# Altium PCB SFYTH_PCB2.PcbDoc (part 1 of 3)
Units mil, origin at the board's own origin, x right, y up, seen from the top; angles counter-clockwise.
Board outline 3935.4 x 3935 mil, 2 copper layers (Top Layer, Bottom Layer); 60 components, 80 nets, 272 pads, 22 vias.
Unrouted connection lines stored in the file: 3.
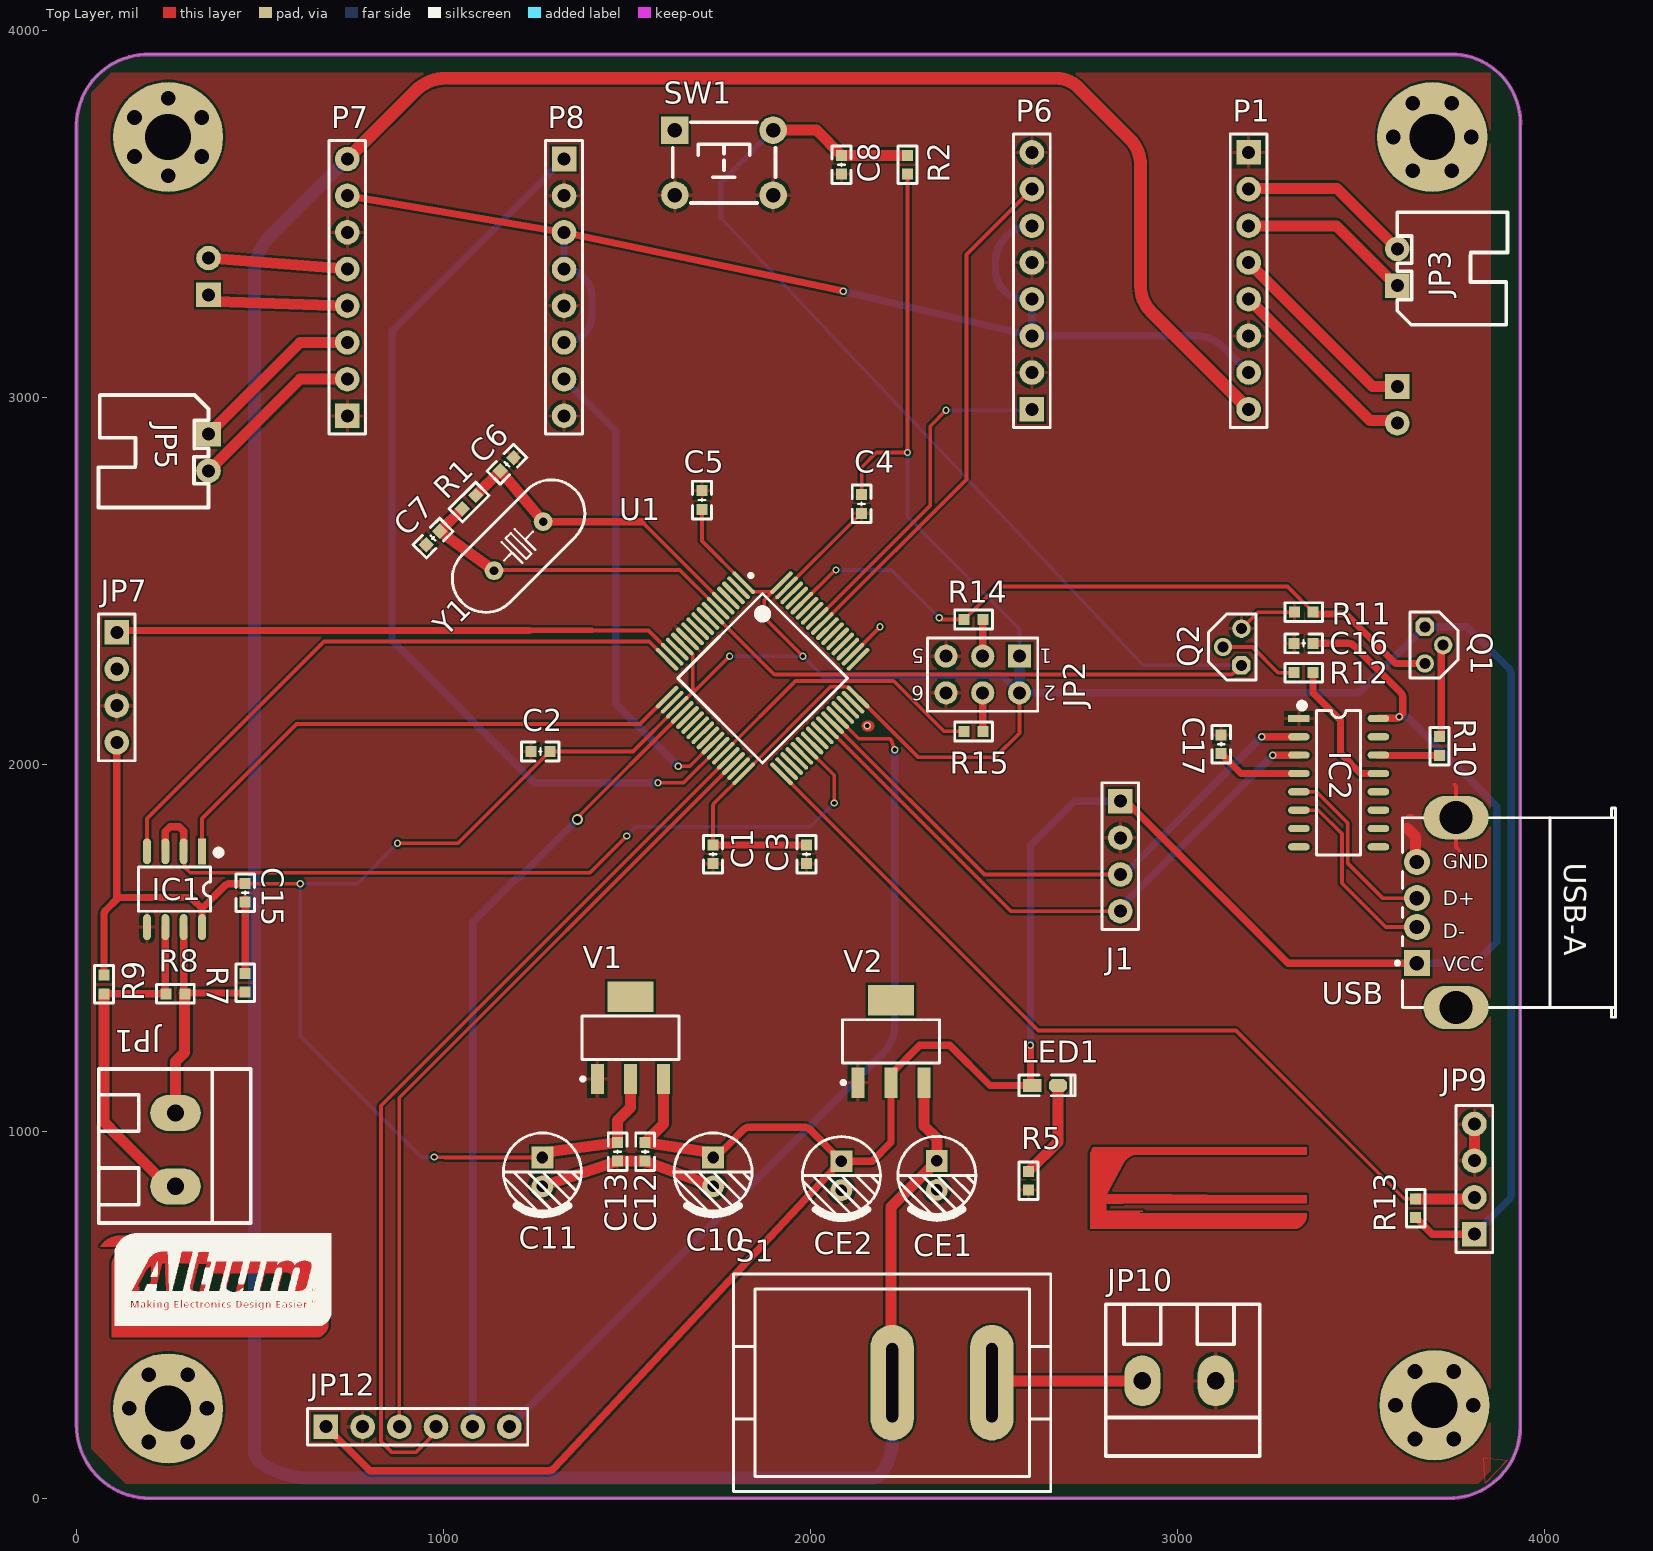
[diagram p0: Top Layer view]
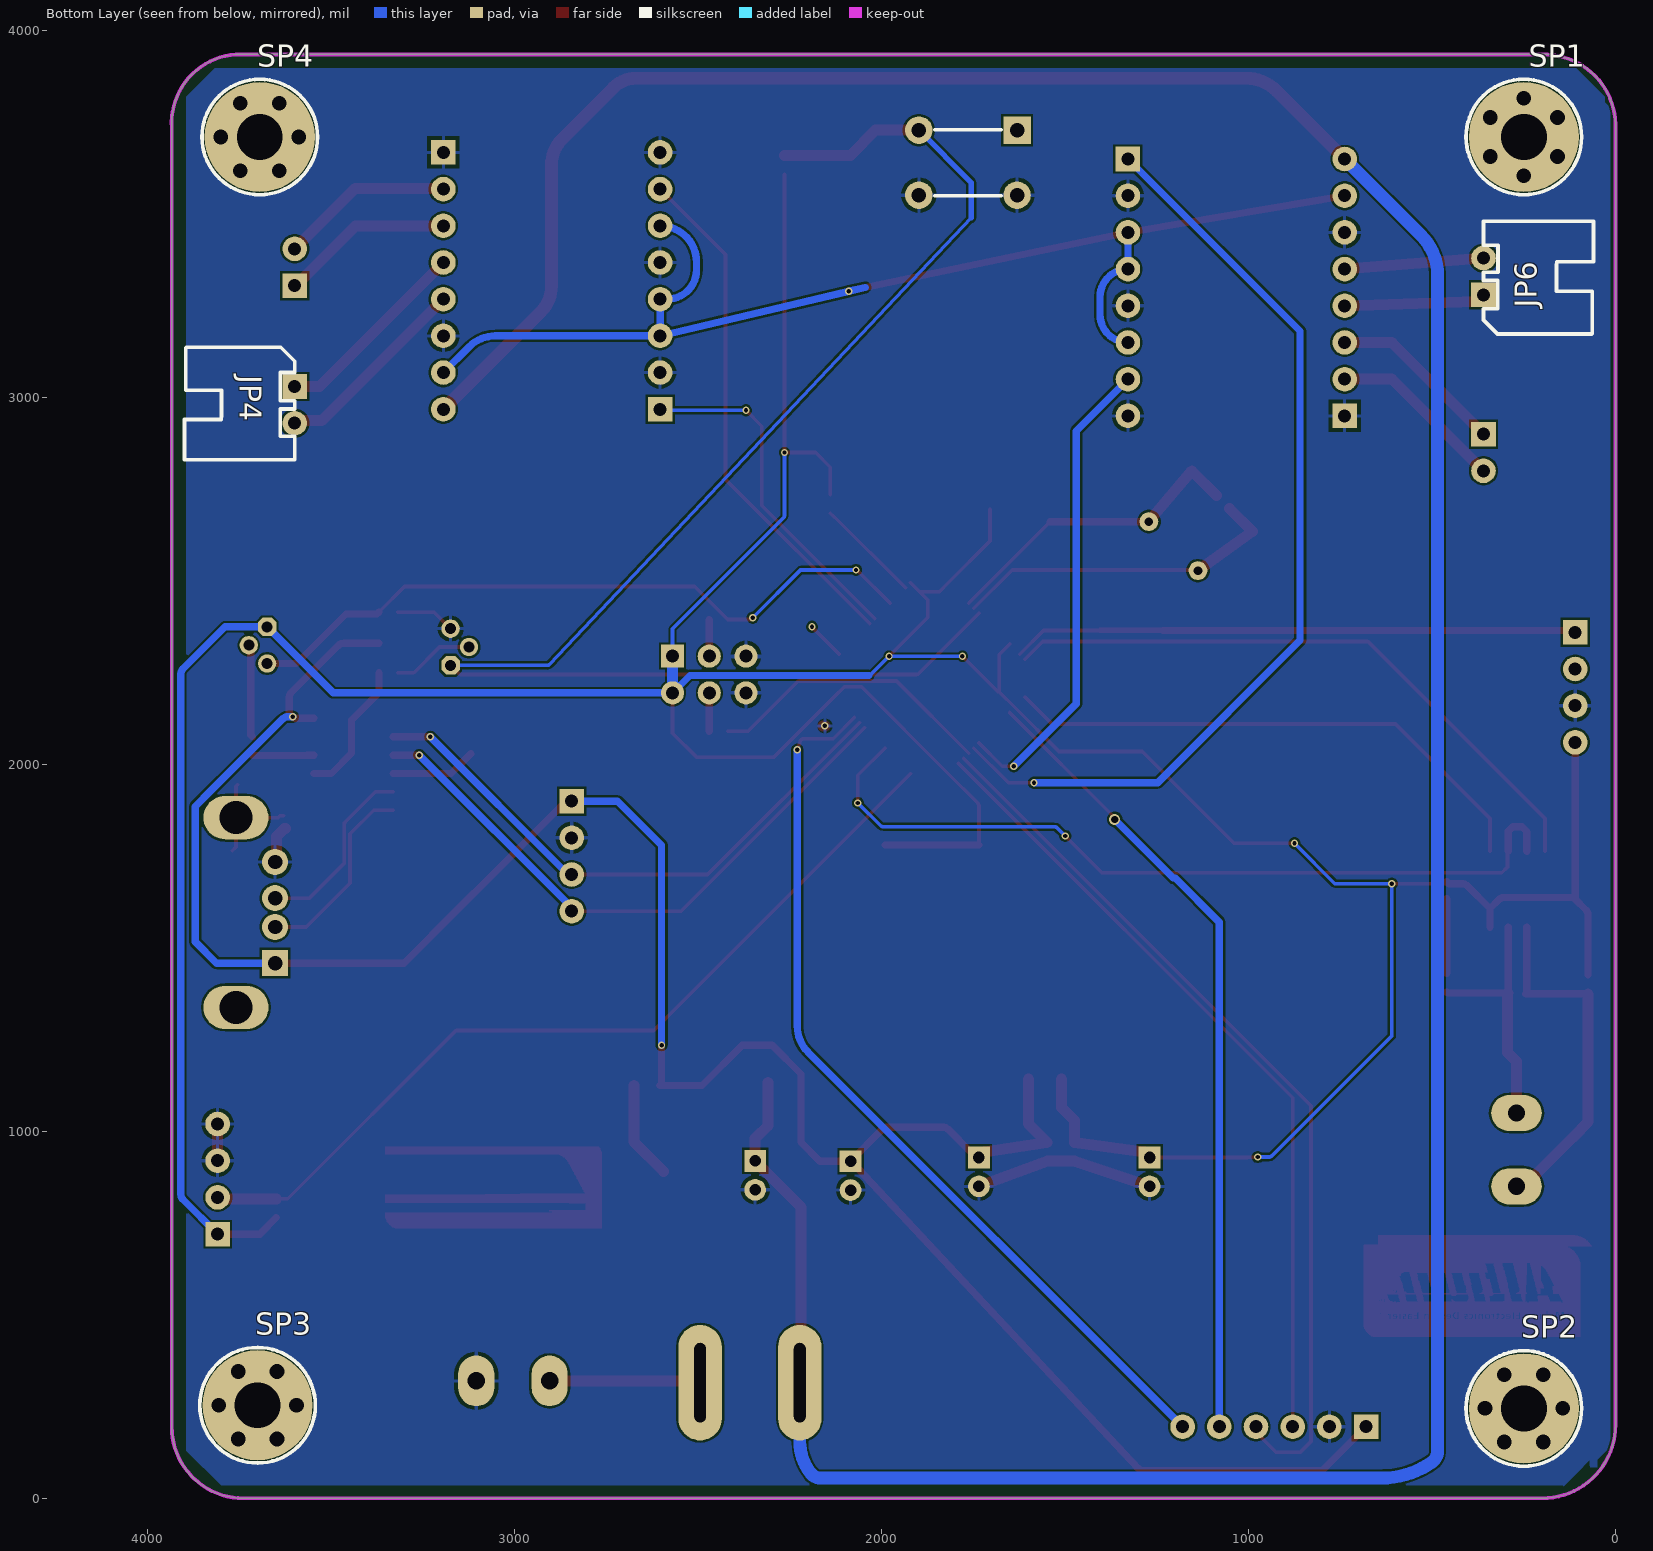
[diagram p1: Bottom Layer view, seen from below]

## Layer stack, top to bottom
Top Solder: solder mask 0.4, Solder Resist, Dk 3.5
Top Layer: signal copper 1.4
Dielectric 1: dielectric 12.6, FR-4, Dk 4.8
Bottom Layer: signal copper 1.4
Bottom Solder: solder mask 0.4, Solder Resist, Dk 3.5

## Board outline
0,200 0,3745 cw(c195,3740) 200,3935 3760,3935 cw(c3747.5,3747.5) 3935,3735 3935,195 cw(c3740,195) 3740,0 200,0 cw(c200,200)

## Design rules (kind name [scope] priority, off if disabled: settings)
Clearance [All] p1: gap=6 ignorepadtopadclearanceinfootprint=FALSE except(0: Arc-Hole Track-Hole SMDPad-Hole THPad-Hole Via-Hole Fill-Hole Poly-Hole Region-Hole Text-Hole)
DiffPairsRouting [All] p1: maxlimit=10 minlimit=6 mostfreqgap=10 toplayer_minwidth=15 toplayer_maxwidth=15 toplayer_prefwidth=15 bottomlayer_minwidth=15 bottomlayer_maxwidth=15 bottomlayer_prefwidth=15 maxuncoupledlength=500
PolygonConnect [All] p1: connectstyle=Relief reliefconductorwidth=10 reliefentries=4 polygonreliefangle="90 Angle" airgapwidth=10
RoutingVias [All] p1: holewidth=20 width=30 viastyle="Through Hole" minholewidth=12 minwidth=20 maxholewidth=28 maxwidth=50
SolderMaskExpansion [All] p1: expansion=4 istentingtop=FALSE
Width [All] p1: maxlimit=30 minlimit=10 preferedwidth=20
29 further rules are at their usual default settings.

## Components (designator, comment, footprint, x,y, rotation, side; value= is the part's Value field where it differs from the comment)
C1 "104" "C 0603_L" 1735,1755 r270 top
C2 "104" "C 0603_L" 1264.41,2035 r0 top
C3 "104" "C 0603_L" 1990,1755 r270 top
C4 "104" "C 0603_L" 2140,2710 r270 top
C5 "104" "C 0603_L" 1705,2720.59 r90 top
C6 "20pF" "C 0603_L" 1173.1,2818.09 r225 top
C7 "20pF" "C 0603_L" 971.9,2616.91 r45 top
C8 "104" "C 0603_L" 2085,3634.41 r90 top value=100pF
C10 "10uF" "CAP 2.0*5*11" 1735,889.37 r270 top value=106
C11 "10uF" "CAP 2.0*5*11" 1270,889.37 r270 top value=106
C12 "104" "C 0603_L" 1550,944.43 r90 top
C13 "104" "C 0603_L" 1475,944.43 r90 top
C15 "104" "C 0603_L" 460,1650 r270 top
C16 "104" "C 0603_L" 3344.41,2330 r0 top
C17 "104" "C 0603_L" 3120,2055 r270 top
CE1 "10uF/16V" "CAP 2.0*5*11" 2345,880 r270 top
CE2 "22uF/16V" "CAP 2.0*5*11" 2085,879.37 r270 top
IC1 "SP3485" SOP8_N 267.36,1660 r270 top
IC2 "CH340G" SOP16_L 3440,1950.39 r0 top
J1 "Header 4" HDR2.54-M-LI-4P 2845,1750 r270 top
JP1 "HDR-1X2" KF128-5.08-2P 270,950 r270 top
JP2 "Header3X2" HDR2.54-LI-2x3P 2470,2245 r180 top
JP3 "HDR-1X2" XH2.54-WI-2P 3600,3355 r90 top
JP4 "HDR-1X2" XH2.54-WI-2P 3600,2980 r270 bottom
JP5 "HDR-1X2" XH2.54-WI-2P 360,2850 r270 top
JP6 "HDR-1X2" XH2.54-WI-2P 360,3330 r90 bottom
JP7 "HDR-1X4" HDR2.54-M-LI-4P 110,2210 r270 top
JP9 "HDR-1X4" HDR2.54-M-LI-4P 3810,870 r90 top
JP10 "HDR-1X2" KF128-5.08-2P 3005,320 r180 top
JP12 "HDR-1X6" HDR2.54-M-LI-6P 930,195 r0 top
LED1 "红色" "LED 0603G" 2640,1124.74 r0 top
P1 "Header 8" HDR2.54-M-LI-8P 3194.61,3317.94 r270 top
P6 "Header 8" HDR2.54-M-LI-8P 2604.06,3317.94 r90 top
P7 "Header 8" HDR2.54-M-LI-8P 738.35,3300 r90 top locked
P8 "Header 8" HDR2.54-M-LI-8P 1328.9,3300 r270 top locked
Q1 "SS8550" TO92B 3725,2325 r270 top
Q2 "SS8550" TO92B 3125,2320 r90 top
R1 "1M" "R 0603_L" 1070,2715 r45 top
R2 "10K" "R 0603_L" 2265,3634.41 r270 top
R5 "10K" "R 0603_L" 2595,865.59 r270 top
R7 "360" "R 0603_L" 460,1405 r270 top
R8 "120" "R 0603_L" 270,1375 r0 top
R9 "360" "R 0603_L" 75,1400.58 r270 top
R10 "10K" "R 0603_L" 3715,2050 r90 top
R11 "1M" "R 0603_L" 3345,2415 r0 top
R12 "10K" "R 0603_L" 3344.41,2250 r0 top
R13 "10K" "R 0603_L" 3650,790.59 r270 top
R14 "10K" "R 0603_L" 2445,2395 r0 top
R15 "10K" "R 0603_L" 2445,2090 r180 top
S1 "KCD1-101" KCD1-101 2223.35,315 r0 top
SP1 "M3铜柱" M3x20_N 250,3710 r90 bottom
SP2 "M3铜柱" M3x20_N 250,245 r180 bottom
SP3 "M3铜柱" M3x20_N 3701,253.48 r180 bottom
SP4 "M3铜柱" M3x20_N 3695,3710 r180 bottom
SW1 "6x6x5" "TSW DIP-6*6*6" 1765,3640 r0 top
U1 "STM32F103RCT6" LQFP64-2 1870,2235 r315 top
USB "USB" USB-A/S_A 3653.31,1596.34 r0 top (schematic designator USB?)
V1 "AMS1117-3V3" SOT223_L 1510,1255 r90 top
V2 "AMS1117-5V" SOT223_L 2220,1245 r90 top
Y1 "8MHz" "OSC HC-49S" 1205,2595 r225 top

## Footprints (in the part's own frame and the unit in brackets; to place one, negate y for a bottom-side part, rotate by r counter-clockwise, add the part's x,y. Pads: shape width x height; smd on the part's side, far side on the other; paste and mask are expansions set on the pad)
"C 0603_L" [mil] "无极性贴片电容                                       淘宝ID:黄晶宝石"
  rect 30x30 smd: 1(-25.59,0) 2(25.59,0)
  silkscreen extent -51,-26 51,26, body extent -31,-16 31,16, height 32
"CAP 2.0*5*11" [mm] "脚距2mm直径5mm高度11mm                 淘宝ID:黄晶宝石"
  rect 1.5x1.5 hole 0.8: 1(-1,0)
  round 1.5 hole 0.8: 2(1,0)
  silkscreen extent -2.7,-2.7 2.96,2.7, body extent -2.5,-2.5 2.51,2.5, height 11.04
HDR2.54-LI-2x3P [mm] "封装库来自淘宝卖家 ID：黄晶宝石"
  rect 1.6x1.6 hole 0.9: 1(-2.54,-1.27)
  round 1.6 hole 0.9: 2(-2.54,1.27) 3(0,-1.27) 4(0,1.27) 5(2.54,-1.27) 6(2.54,1.27)
  silkscreen extent -3.81,-2.54 3.81,2.54, body extent -3.81,-2.54 3.81,2.54, height 8.5
HDR2.54-M-LI-4P [mm] "排母，4脚  淘宝ID:黄晶宝石   店铺网址:https://shop463601444.taobao.com"
  rect 1.7x1.7 hole 0.9: 1(-3.81,0)
  round 1.7 hole 0.9: 2(-1.27,0) 3(1.27,0) 4(3.81,0)
  silkscreen extent -5.08,-1.27 5.08,1.27, body extent -5.08,-1.27 5.08,1.27, height 8.5
HDR2.54-M-LI-6P [mm] "排母，6脚  淘宝ID:黄晶宝石   店铺网址:https://shop463601444.taobao.com"
  rect 1.7x1.7 hole 0.9: 1(-6.35,0)
  round 1.7 hole 0.9: 2(-3.81,0) 3(-1.27,0) 4(1.27,0) 5(3.81,0) 6(6.35,0)
  silkscreen extent -7.62,-1.27 7.62,1.27, body extent -7.62,-1.27 7.62,1.27, height 8.5
HDR2.54-M-LI-8P [mm] "排母，8脚"
  rect 1.7x1.7 hole 0.9: 1(-8.89,0)
  round 1.7 hole 0.9: 2(-6.35,0) 3(-3.81,0) 4(-1.27,0) 5(1.27,0) 6(3.81,0) 7(6.35,0) 8(8.89,0)
  silkscreen extent -10.16,-1.27 10.16,1.27, body extent -10.16,-1.27 10.16,1.27, height 8.5
KCD1-101 [mm] "船型开关立式      淘宝ID:黄晶宝石"
  oval 3x8 hole 0.8 slot 5.5 at 90 deg: 1(0,0) 2(6.9,0)
  silkscreen extent -10.97,-7.52 10.97,7.52, body extent -10.95,-7.5 10.95,7.5, height 20.3
KF128-5.08-2P [mm] "螺钉式接线端子，脚距5.08mm"
  oval 2.5x3.5 hole 1.2: 1(-2.54,0) 2(2.54,0)
  silkscreen extent -5.59,-5.31 5.08,5.21, body extent -5.58,-5.3 5.08,5.2, height 14.15
"LED 0603G" [mil] "绿色0603LED                                   淘宝ID:黄晶宝石"
  rect 50x35 smd: 1(-35,0.26)
  oct 50x35 smd: 2(35,0.26)
  silkscreen extent -71,-28 81,28, body extent -31,-16 32,16, height 18
LQFP64-2 [mm] "LQFP64"
  oval 2.1x0.3 smd: 1(-5.6,3.75) 2(-5.6,3.25) 3(-5.6,2.75) 4(-5.6,2.25) 5(-5.6,1.75) 6(-5.6,1.25) 7(-5.6,0.75) 8(-5.6,0.25) 9(-5.6,-0.25) 10(-5.6,-0.75) 11(-5.6,-1.25) 12(-5.6,-1.75) 13(-5.6,-2.25) 14(-5.6,-2.75) 15(-5.6,-3.25) 16(-5.6,-3.75) 33(5.6,-3.75) 34(5.6,-3.25) 35(5.6,-2.75) 36(5.6,-2.25) 37(5.6,-1.75) 38(5.6,-1.25) 39(5.6,-0.75) 40(5.6,-0.25) 41(5.6,0.25) 42(5.6,0.75) 43(5.6,1.25) 44(5.6,1.75) 45(5.6,2.25) 46(5.6,2.75) 47(5.6,3.25) 48(5.6,3.75)
  oval 0.3x2.1 smd: 17(-3.75,-5.6) 18(-3.25,-5.6) 19(-2.75,-5.6) 20(-2.25,-5.6) 21(-1.75,-5.6) 22(-1.25,-5.6) 23(-0.75,-5.6) 24(-0.25,-5.6) 25(0.25,-5.6) 26(0.75,-5.6) 27(1.25,-5.6) 28(1.75,-5.6) 29(2.25,-5.6) 30(2.75,-5.6) 31(3.25,-5.6) 32(3.75,-5.6) 49(3.75,5.6) 50(3.25,5.6) 51(2.75,5.6) 52(2.25,5.6) 53(1.75,5.6) 54(1.25,5.6) 55(0.75,5.6) 56(0.25,5.6) 57(-0.25,5.6) 58(-0.75,5.6) 59(-1.25,5.6) 60(-1.75,5.6) 61(-2.25,5.6) 62(-2.75,5.6) 63(-3.25,5.6) 64(-3.75,5.6)
  silkscreen extent -5.72,-4.15 4.15,4.57, body extent -5,-5 5,5, height 1.6
M3x20_N [mil] "M3铜柱，长：20mm"
  round 40 hole 40: 1(-106,0) 1(-53,-91.8) 1(-53,91.8) 1(53,-91.8) 1(53,91.8) 1(106,0)
  round 300 hole 125: 1(0,0)
  silkscreen extent -157,-157 157,157, body extent -106,-93 106,93, height 789
"OSC HC-49S" [mm] "封装库来自淘宝卖家 ID：黄晶宝石"
  round 1.3 hole 0.6: 1(-2.4,0) 2(2.4,0)
  silkscreen extent -5.52,-2.32 5.52,2.33, body extent -5.52,-2.32 5.53,2.33, height 4.13
"R 0603_L" [mil] "1/10W贴片电阻                 淘宝ID:黄晶宝石"
  rect 30x30 smd: 1(-25.59,0) 2(25.59,0)
  silkscreen extent -51,-26 51,26, body extent -31,-16 32,16, height 16
SOP8_N [mm] "5*6*1.8mm（长宽高）封装库来自淘宝卖家 ID：黄晶宝石"
  rect 1.8x0.55 smd: 1(-2.625,1.905)
  oval 1.8x0.55 smd: 2(-2.625,0.635) 3(-2.625,-0.635) 4(-2.625,-1.905) 5(2.625,-1.905) 6(2.625,-0.635) 7(2.625,0.635) 8(2.625,1.905)
  silkscreen extent -2.69,-2.5 1.52,3.2, body extent -3,-2.5 3,2.5, height 1.9
SOP16_L [mm] "10.3*6.2*1.8mm（长宽高）封装库来自淘宝卖家 ID：黄晶宝石"
  rect 1.5x0.5 smd: 1(-2.752,4.445)
  oval 1.5x0.5 smd: 2(-2.752,3.175) 3(-2.752,1.905) 4(-2.752,0.635) 5(-2.752,-0.635) 6(-2.752,-1.905) 7(-2.752,-3.175) 8(-2.752,-4.445) 9(2.752,-4.445) 10(2.752,-3.175) 11(2.752,-1.905) 12(2.752,-0.635) 13(2.752,0.635) 14(2.752,1.905) 15(2.752,3.175) 16(2.752,4.445)
  silkscreen extent -2.69,-5 1.52,5.49, body extent -3,-5 3,5, height 1.9
SOT223_L [mm] "SOT223, 4-Leads, Body 6.5x3.5mm, Pitch 2.3mm, Lead Span 7mm, IPC High Density"
  rect 2.1x0.9 smd: 1(-2.85,2.3) 2(-2.85,0) 3(-2.85,-2.3)
  rect 2.1x3.2 smd: 4(2.85,0)
  silkscreen extent -2.97,-3.35 1.5,3.42, body extent -1.85,-3.35 1.85,3.35, height 1.7
TO92B [mil] "92晶体管"
  oct 50x50 hole 30: 1(-50,-50)
  round 50 hole 30: 2(0,0) 3(50,-50)
  silkscreen extent -90,-90 90,40, body extent -91,-101 91,41, height 118
"TSW DIP-6*6*6" [mm] "6*6*6mm"
  rect 1.9x1.9 hole 1: 1(-3.4,2.25)
  round 1.9 hole 1: 2(-3.4,-2.25) 3(3.4,-2.25) 4(3.4,2.25)
  silkscreen extent -3.56,-2.79 3.56,2.79, body extent -4.11,-3 4.11,3, height 5.95
USB-A/S_A [mm] "A型直插母头， 淘宝ID:黄晶宝石   店铺网址:https://shop463601444.taobao.com"
  rect 1.8x1.8 hole 1: 1(0,-3.5)
  round 1.8 hole 1: 2(0,-1) 3(0,1) 4(0,3.5)
  oval 4.5x3 hole 2.3: 4(2.71,-6.57) 4(2.71,6.57)
  silkscreen extent -1.47,-7.25 13.75,7.25, body extent -0.6,-7.34 13.7,7.34, height 6.8
XH2.54-WI-2P [mm] "接插件，2P"
  rect 1.7x1.7 hole 0.9: 1(-1.27,0)
  round 1.7 hole 0.9: 2(1.27,0)
  silkscreen extent -3.99,-7.62 3.81,0, body extent -3.77,-7.35 3.77,0.35, height 5.73

## Part data
C1 C2 C3 C4 C5: library part CAP
C6 C7: library part CAP, "CAP CHIP 20P 50V(+-5% C0G 0603)"
C8: library part CAP, "GRM39 X7R102K50PT", Published=8-Jun-2000, Publisher="Altium Limited", REF="GRM39 X7R102K50PT", Revision="July-2002: Re-released for DXP Platform."
C10 C11: library part "Cap Pol3", "Polarized Capacitor (Surface Mount)", LatestRevisionDate=29-May-2009, LatestRevisionNote="IPC-7351 Footprint Added.", PackageDescription="Chip Capacitor", PackageReference=C0805, Published=8-Jun-2000, Publisher="Altium Limited"
C12 C13 C15 C16 C17: library part C, "贴片电容", BOM名称=无极性贴片电容, 唯一出售店铺网址=https://shop463601444.taobao.com, 淘宝ID="封装库来自淘宝 ID：黄晶宝石", 联系售后，技术支持=https://shop463601444.taobao.com
CE1 CE2: library part CE, "直插电解电容", BOM名称=直插电解电容, 淘宝ID="封装库来自淘宝 ID：黄晶宝石", 联系售后=https://shop463601444.taobao.com
IC1: "RS485总线收发芯片", BOM名称=RS485总线收发芯片, 学习资源=https://shop463601444.taobao.com, 版权归属="封装库来自淘宝 ID：黄晶宝石"
IC2: "串口转USB", BOM名称=串口转USB, 学习资源=https://shop463601444.taobao.com, 版权归属="封装库来自淘宝 ID：黄晶宝石"
J1: "Header, 4-Pin", LatestRevisionDate=17-Jul-2002, LatestRevisionNote="Re-released for DXP Platform.", Publisher="Altium Limited"
JP1 JP3 JP4 JP5 JP6 JP10: library part "Header 2", "2P接插件", BOM名称=2P接插件
  JP1 JP10: 学习资源=https://shop463601444.taobao.com, 版权归属="封装库来自淘宝卖家 ID：黄晶宝石"
  JP3 JP4 JP5 JP6: 版权归属="封装库来自淘宝 ID：黄晶宝石", 联系售后=https://shop463601444.taobao.com
JP2: library part "Header 3X2", "3*2P接插件", BOM名称=3*2P接插件, 学习资源=https://shop463601444.taobao.com, 版权归属="封装库来自淘宝 ID：黄晶宝石"
JP7 JP9: library part "Header 4", "4P接插件", BOM名称=4P接插件, 学习资源=https://shop463601444.taobao.com, 版权归属="封装库来自淘宝 ID：黄晶宝石"
JP12: library part "Header 6", "6P接插件", BOM名称=6P接插件, 学习资源=https://shop463601444.taobao.com, 版权归属="封装库来自淘宝 ID：黄晶宝石"
LED1: library part LED-SMD, "贴片LED", BOM名称=贴片LED, 学习资源=https://shop463601444.taobao.com, 版权归属="封装库来自淘宝 ID：黄晶宝石"
P1 P6 P7 P8: "Header, 8-Pin", LatestRevisionDate=17-Jul-2002, LatestRevisionNote="Re-released for DXP Platform.", Publisher="Altium Limited"
Q1 Q2: library part 8550-DIP, "高频放大-PNP型", BOM名称=高频放大-PNP型, 属性="40V 1.5A 1W 100MHZ", 技术支持，联系售后=https://shop463601444.taobao.com, 版权归属="封装库来自淘宝 ID：黄晶宝石"
R1 R2: library part RES
R5 R7 R8 R9 R10 R11 R12 R13 R14 R15: library part R, "贴片电阻", BOM名称=贴片电阻, 封装库来自淘宝卖家 ID：黄晶宝石=其他店铺购入均为盗版，不享受售后技术支持服务，请立即申请退款, 版权归属="来自淘宝 ID：黄晶宝石", 联系售后=https://shop463601444.taobao.com
S1: "1路单刀船型开关", BOM名称=1路单刀船型开关, 学习资源=https://shop463601444.taobao.com, 版权归属="封装库来自淘宝 ID：黄晶宝石"
SP1 SP2 SP3 SP4: library part 铜柱大焊盘, "铜柱", BOM名称=铜柱, 学习资源=https://shop463601444.taobao.com, 版权归属="封装库来自淘宝 ID：黄晶宝石"
SW1: library part "TSW DIP-6x6", "直插6x6轻触开关", BOM名称=直插6x6轻触开关, 唯一出售店铺网址=https://shop463601444.taobao.com, 版权归属="封装库来自淘宝 ID：黄晶宝石"
U1: library part STM32F103RBT6
USB: library part USB-A/S, "USB-A型母接口", BOM名称=USB-A型母接口, 学习资源=https://shop463601444.taobao.com, 版权归属="封装库来自淘宝 ID：黄晶宝石"
V1 V2: library part AMS1117, "三端稳压芯片", BOM名称=稳压芯片, 欢迎光临淘宝店铺=https://shop463601444.taobao.com, 淘宝ID="封装库来自淘宝 ID：黄晶宝石"
Y1: library part CRYSTAL, "Crystal 8MHz PLUG"

## Via types
v1: diameter 20, hole 12, Top Layer to Bottom Layer, 21 vias
v2: diameter 30, hole 20, Top Layer to Bottom Layer, 1 vias

## Nets (pads, with @x,y where several pads share a name; then routed paths per layer and width w, separated by ;. In a path a pad name is that pad's centre, name@x,y a point inside that pad or via, vN(x,y) a via of type N, cw(c..) or ccw(c..) an arc to the next point about the centre after c; other vN are vias at no path point)
+5: C10.1 C12.2 C16.2 CE2.1 IC2.16 J1.1 JP12.1 LED1.1 V1.3 V2.2 | length 6776.4
  Top Layer w20: JP12.1@680,195 800,75 1286.33,75 ccw(c1286.33,95) 1300.94,81.34 2065.47,899.21 CE2.1@2085,918.74 ; C10.1@1735,928.74 1754.53,945.19 1758.72,945.19 1818.98,1005.45 cw(c1833.12,991.31) 1833.12,1011.31 1984.15,1011.31 cw(c1984.15,991.31) 1998.29,1005.45 CE2.1@2085,918.74 ; v1(2600,1235) 2600,1130 LED1.1@2605,1125 2490,1125 2380,1235 2298.58,1235 2220,1156.42 V2.2@2220,1132.8 2220,970 2168.74,918.74 CE2.1@2085,918.74 ; J1.1@2845,1900 2851.72,1900 cw(c2851.72,1880) 2865.8,1894.2 3069.04,1690.96 3150.98,1609.02 3302.17,1457.83 3660,1457.83 ; C16.2@3370,2330 3466.72,2330 cw(c3466.72,2310) 3480.8,2324.2 3572.26,2232.74 3609.11,2195.89 cw(c3595,2181.72) 3615,2181.72 3615,2145.55 cw(c3595,2145.55) 3595,2125.55 3548.5,2125.55 IC2.16@3548.35,2125.39
  Top Layer w30: V1.3@1600.55,1142.8 1600.55,1020.57 C12.2@1550,970.02 1720.47,943.27 C10.1@1735,928.74
  Bottom Layer w20: v1(2600,1235) 2600,1780 2720,1900 J1.1@2845,1900 ; v1(3605,2130) 3618.37,2130 cw(c3618.37,2110) 3632.46,2124.2 3771.37,1985.29 3827.34,1929.31 3871.28,1885.38 3871.28,1516.28 3812.83,1457.83 3660,1457.83
A: IC1.6 JP1.2 R8.1 R9.2 | length 969.8
  Top Layer w20: R9.2@75,1375 R8.1@239.41,1375 ; IC1.6@242.36,1556.65 242.36,1377.95 R8.1@239.41,1375 ; R8.1@244.41,1375 R8.1@239.41,1375
  Top Layer w30: R9.2@75,1375 75,1025 115,985 115.31,985 250.31,850 JP1.2@270,850
ADC1: JP7.1 U1.15 | length 1542.4
  Top Layer w10: 1405,2365 1559.05,2365 U1.15@1623.63,2300.42
  Top Layer w15: 1235,2365 1405,2365
  Top Layer w20: JP7.1@110,2360 115,2365 1235,2365
AIN1: P1.7 P6.3 P6.4 P6.6 P7.7 P8.3 P8.4 P8.6 | length 3440.5
  Top Layer w20: P7.7@738.35,3550 P8.3@1328.9,3450 v1(2090,3290)
  Bottom Layer w20: P8.6@1328.9,3150 ccw(c1328.9,3226.1) 1405,3226.1 1405,3273.9 ccw(c1328.9,3273.9) P8.4@1328.9,3350 P8.3@1328.9,3450 ; v1(2090,3290) 2045,3300 2089.86,3289.4 2094.64,3288.27 P6.3@2604.06,3167.94 ; P6.4@2577.94,3267.94 P6.4@2585,3267.94 ; P6.6@2604.06,3467.94 ccw(c2604.05,3368.52) 2504.64,3368.52 2504.64,3348.3 ccw(c2585,3348.3) P6.4@2585,3267.94 ; P1.7@3194.61,3067.94 3123.9,3138.65 ccw(c3053.18,3067.94) 3053.18,3167.94 P6.3@2604.06,3167.94 ; P6.4@2585,3267.94 P6.4@2604.06,3267.94 P6.3@2604.06,3167.94
AIN2: C1.2 C2.1 C3.2 C4.2 C5.2 C6.1 C7.1 C8.1 C10.2 C11.2 C12.1 C13.1 C16.1 C17.1 CE1.2 CE2.2 IC1.5 IC2.1 J1.2 JP2.5 JP2.6 JP7.3 JP9.3 JP9.4 JP10.1 JP12.2 P1.1 P1.6 P6.2 P6.5 P6.8 P7.1 P7.6 P8.2 P8.5 P8.8 Q2.3 R5.2 R11.1 SW1.2 SW1.3 U1.12 U1.18 U1.31 U1.47 U1.63 USB.4@3653.31,1734.13 V1.1 V2.1 | length 1149.6
  Top Layer w10: U1.63@1935.42,2481.37 2129.21,2675.17 2130,2675.17 C4.2@2140,2684.41 ; Q2.3@3175,2370 3220,2415 R11.1@3319.41,2415
  Top Layer w30: C11.2@1270,850 C13.1@1475,918.83 C12.1@1550,918.83 C10.2@1735,850 ; v1(2155,2105) v1@2160,2105 ; 3625,1825 3628.23,1825 3650,1803.23 3650,1737.44 USB.4@3653.31,1734.13 ; JP9.3@3810,920 JP9.4@3810,1020
AT_AUX: JP12.5 U1.20 | length 2186.5
  Top Layer w10: v2(1365,1850) 1365,1854.78 1651.47,2141.25 U1.20@1651.47,2141.74
  Bottom Layer w20: JP12.5@1080,195 1080,1570.28 1200.16,1690.43 1205.43,1690.43 v2(1365,1850)
AT_MDO: JP12.6 U1.44 | length 2474.7
  Top Layer w10: U1.44@2074.62,2127.82 2132.44,2070 2200,2070 2212.79,2070 cw(c2212.79,2060) 2222.28,2063.16 v1(2230,2040)
  Bottom Layer w20: JP12.6@1180,195 2200.71,1215.71 ccw(c2130,1286.42) 2230,1286.42 v1(2230,2040)
AT_RX: JP12.4 U1.29 | length 2453.8
  Top Layer w10: JP12.4@980,195 980,180 925,125 860,125 830,155 830,1069.73 1120.27,1360 U1.29@1776.74,2016.47
AT_TX: JP12.3 U1.30 | length 2184.8
  Top Layer w10: JP12.3@880,195 880,1091.89 U1.30@1790.66,2002.55
B: IC1.7 JP1.1 R7.2 R8.2 | length 688
  Top Layer w20: IC1.7@292.36,1556.65 292.05,1556.34 292.05,1376.46 292.8,1377.2 457.79,1377.2 R7.2@460,1379.41
  Top Layer w30: JP1.1@270,1050 270,1190 295,1215 295,1375 R8.2@292.8,1377.2
BOOT0: Q1.3 R11.2 R14.1 U1.60 | length 1915.4
  Top Layer w10: U1.60@1977.18,2439.62 1977.67,2439.62 2068.05,2530 v1(2070,2530) ; v1(2351.36,2400) 2354.06,2400 2359.06,2395 R14.1@2419.41,2395 2509.41,2485 2585,2485 3300.58,2485 R11.2@3370.59,2415
  Top Layer w20: R11.2@3370.59,2415 3375.58,2410 3460,2410 3595,2275 Q1.3@3675,2275
  Bottom Layer w10: v1(2070,2530) 2221.35,2530 v1(2351.36,2400)
BOOT1: R15.2 U1.28 | length 794.8
  Top Layer w10: U1.28@1762.82,2030.38 1959.98,2227.54 2223.32,2227.54 cw(c2223.32,2217.54) 2230.39,2224.61 2365,2090 R15.2@2419.41,2090
DO: JP7.2
DS18B20: JP9.2 R13.1 U1.33 | length 2370
  Top Layer w10: U1.33@1921.5,1974.71 2621.21,1275 3160,1275 3618.82,816.18 R13.1@3650,816.18
  Top Layer w30: R13.1@3650,816.18 3806.18,816.18 JP9.2@3810,820
JTCK/SWCLK: U1.49
JTDO/PB3: U1.55
JTMS/SWDIO: U1.46
KEY0: U1.9
LED0: U1.41
LED1: U1.54
M1+: JP3.1 P1.3 | length 472.9
  Top Layer w30: P1.3@3194.61,3467.94 3434.57,3467.94 3579.04,3323.46 3581.54,3323.46 JP3.1@3600,3305
M1-: JP3.2 P1.2 | length 474.6
  Top Layer w30: P1.2@3194.61,3567.94 3196.67,3570 3435,3570 JP3.2@3600,3405
M2+: JP4.2 P1.5 | length 545.4
  Top Layer w30: P1.5@3194.61,3267.94 3525.48,2937.07 3592.93,2937.07 JP4.2@3600,2930
M2-: JP4.1 P1.4 | length 545.4
  Top Layer w30: P1.4@3194.61,3367.94 3532.54,3030 JP4.1@3600,3030
M3+: JP5.1 P7.3 | length 481.9
  Top Layer w30: JP5.1@360,2900 610,3150 P7.3@738.35,3150
M3-: JP5.2 P7.2 | length 481.9
  Top Layer w30: JP5.2@360,2800 610,3050 P7.2@738.35,3050
M4+: JP6.2 P7.5 | length 379.5
  Top Layer w30: JP6.2@360,3380 P7.5@738.35,3350
M4-: JP6.1 P7.4 | length 386.2
  Top Layer w30: JP6.1@360,3280 378.46,3261.54 P7.4@738.35,3250
NetC15_2: C15.2 R7.1 | length 203.8
  Top Layer w20: R7.1@460,1430.59 C15.2@460,1634.41
NetC17_2: C17.2 IC2.4 | length 234
  Top Layer w20: C17.2@3120,2029.41 3174.02,1975.39 IC2.4@3331.65,1975.39
NetIC2_13: IC2.13 R12.2 | length 377
  Top Layer w20: R12.2@3370,2250 3370,2195 3445,2120 3445,2030 3499.61,1975.39 IC2.13@3548.35,1975.39
NetIC2_14: IC2.14 R10.1 | length 167.1
  Top Layer w20: IC2.14@3548.35,2025.39 3567.72,2025.39 3568.7,2024.41 R10.1@3715,2024.41
NetJP2_3: JP2.3 R14.2 | length 110.2
  Top Layer w20: JP2.3@2470,2285 2470.29,2285.29 2470.29,2394.7 R14.2@2470.59,2395
NetJP2_4: JP2.4 R15.1 | length 95.2
  Top Layer w20: JP2.4@2470,2185 2470.3,2184.7 2470.3,2090.3 R15.1@2470.59,2090
NetLED1_2: LED1.2 R5.1 | length 267
  Top Layer w30: R5.1@2595,891.18 2675,971.18 LED1.2@2675,1125
NetQ1_2: Q1.2 R10.2 | length 253.6
  Top Layer w20: R10.2@3715,2075.59 3720,2080.59 3720,2320 Q1.2@3725,2325
NetQ2_2: Q2.2 R12.1 | length 222.8
  Top Layer w10: Q2.2@3125,2320 3205,2320 3275,2250 R12.1@3318.82,2250
OSC_IN2: C6.2 R1.2 U1.5 Y1.1 | length 858.6
  Top Layer w10: 1540.62,2661.81 U1.5@1762.82,2439.62
  Top Layer w20: Y1.1@1271.81,2661.81 1540.62,2661.81
  Top Layer w30: R1.2@1088.1,2733.09 C6.2@1155,2800 Y1.1@1271.81,2661.81
OSC_OUT2: C7.2 R1.1 U1.6 Y1.2 | length 924.9
  Top Layer w10: Y1.2@1138.19,2528.19 1140,2530 1644.6,2530 U1.6@1748.9,2425.7
  Top Layer w30: R1.1@1051.9,2696.9 C7.2@990,2635 Y1.2@1138.19,2528.19
PA0: U1.14
PA2: IC1.4 U1.16 | length 1726.4
  Top Layer w10: IC1.4@192.36,1763.35 192.36,1852.36 675,2335 1561.21,2335 U1.16@1609.71,2286.5
PA3: IC1.1 U1.17 | length 1493.5
  Top Layer w10: IC1.1@342.36,1763.35 342.36,1852.36 600,2110 1536.21,2110 U1.17@1609.71,2183.5
PA5: U1.21
PA6: U1.22
PA7: U1.23
PA9: IC2.3 J1.4 U1.42 | length 1674
  Top Layer w10: U1.42@2046.78,2099.98 2546.76,1600 J1.4@2845,1600
  Top Layer w20: v1(3260.39,2025.39) IC2.3@3331.65,2025.39
  Bottom Layer w20: J1.4@2845,1600 2845,1610 v1(3260.39,2025.39)
PA10: IC2.2 J1.3 U1.43 | length 1597.9
  Top Layer w10: U1.43@2060.7,2113.9 2474.6,1700 J1.3@2845,1700
  Top Layer w20: v1(3230,2075) 3230.39,2075.39 IC2.2@3331.65,2075.39
  Bottom Layer w20: J1.3@2845,1700 2855,1700 v1(3230,2075)
PA12: U1.45
PA15: U1.50 | length 105.1
  Top Layer w10: U1.50@2116.37,2300.42 2116.37,2300.9 2190,2374.52 v1(2190,2375)
PB0: P8.7 U1.26 | length 1305
  Top Layer w10: v1(1640,1995) 1671.76,1995 U1.26@1734.98,2058.22
  Bottom Layer w20: P8.7@1328.9,3050 1470,2908.9 1470,2165 v1(1640,1995)
PB1: P8.1 U1.27 | length 2594.9
  Top Layer w10: v1(1585,1950) 1654.6,1950 U1.27@1748.9,2044.3
  Bottom Layer w20: P8.1@1328.9,3650 860,3181.1 860,2338.01 1248.01,1950 v1(1585,1950)
PB4: P6.7 U1.56 | length 1420.6
  Top Layer w10: U1.56@2032.86,2383.94 2425.71,2776.79 2425.71,3389.59 P6.7@2604.06,3567.94
PB5: P6.1 U1.57 | length 947.8
  Top Layer w10: U1.57@2018.94,2397.86 2326.89,2705.81 2326.89,2921.89 v1(2370,2965)
  Bottom Layer w10: v1(2370,2965) 2601.12,2965 P6.1@2604.06,2967.94
PB6: U1.58
PB7: U1.59
PB8: U1.61
PB9: U1.62
PB13: U1.34
PB14: U1.35
PB15: U1.36
PC0: U1.8
PC2: U1.10
PC3: U1.11
PC4: U1.24
PC5: U1.25
PC6: U1.37
PC7: IC1.2 IC1.3 U1.38 | length 2247.1
  Top Layer w10: IC1.2@292.36,1763.35 294.59,1761.12 294.59,1720.41 310,1705 1400,1705 v1(1500,1805) ; U1.38@1991.1,2044.3 2065,1970.4 v1(2065,1895)
  Top Layer w20: IC1.3@242.36,1763.35 242.36,1817.36 255,1830 280,1830 292.36,1817.64 IC1.2@292.36,1763.35
  Bottom Layer w10: v1(1500,1805) 1522.07,1827.07 cw(c1529.14,1820) 1529.14,1830 1995.86,1830 ccw(c1995.86,1840) 2002.93,1832.93 v1(2065,1895)
PC8: U1.39
PC9: U1.40
PC10: U1.51
PC11: U1.52
PC12: U1.53
PC13: U1.2
PC14: U1.3
PC15: U1.4
RESET: C8.2 Q2.1 R2.1 SW1.1 SW1.4 U1.7 | length 4155.5
  Top Layer w10: U1.7@1734.98,2411.78 1898.83,2247.93 ccw(c1905.9,2255) 1905.9,2245 2100.34,2245 cw(c2100.29,2235) 2102.1,2244.84 ccw(c2105.24,2261.45) 2108.38,2244.84 cw(c2110.18,2235) 2110.14,2245 3145.86,2245 ccw(c3145.86,2255) 3152.93,2247.93 Q2.1@3175,2270
  Top Layer w30: SW1.4@1898.86,3728.58 2016.42,3728.58 C8.2@2085,3660 R2.1@2265,3660
  Bottom Layer w10: 1756.15,3489.54 2904.79,2273.13 ccw(c2912.06,2280) 2912.06,2270 Q2.1@3175,2270
  Bottom Layer w15: 1756.15,3489.54 1756.15,3585.87 SW1.4@1898.86,3728.58
USB_D+: IC2.5 | length 505.2
  Top Layer w10: IC2.5@3331.65,1925.39 3379.61,1925.39 3462.07,1842.93 cw(c3455,1835.86) 3465,1835.86 3465,1734.14 ccw(c3475,1734.14) 3467.93,1727.07 3559.29,1635.71 3653.31,1635.71
USB_D-: IC2.6 USB.2 | length 534.3
  Top Layer w10: IC2.6@3331.65,1875.39 3384.61,1875.39 3449,1811 3449,1676 3568.03,1556.97 3649.37,1556.97 3651.34,1555 USB.2@3653.31,1556.97
VCC3.3: C1.1 C2.2 C3.1 C4.1 C5.1 C11.1 C13.2 C15.1 IC1.8 JP2.1 JP2.2 JP7.4 JP9.1 Q1.1 R2.2 R9.1 R13.2 U1.1 U1.13 U1.19 U1.32 U1.48 U1.64 V1.2 | length 12376.1
  Top Layer w10: C15.1@460,1680 465,1675 v1(610,1675) ; v1(875,1785) 1040,1785 C2.2@1290,2035 1516.89,2035 U1.19@1637.55,2155.66 1679.51,2197.62 ; v1(975,930) 1004.58,928.75 ccw(c1005,938.74) 1005,928.74 C11.1@1270,928.74 ; U1.13@1651.47,2328.26 1651.47,2327.77 1679.51,2299.73 1679.51,2197.62 ; C5.1@1705,2695 1705,2608.79 U1.1@1818.5,2495.29 1843.55,2470.24 U1.64@1896.45,2470.24 ; C1.1@1735,1780.59 1735,1887.11 cw(c1745,1887.07) 1737.89,1894.1 U1.32@1818.5,1974.71 2055.33,2211.54 2101.76,2211.54 2129.8,2183.5 U1.48@2130.29,2183.5 2293.79,2020 2505,2020 2570,2085 JP2.2@2570,2195 ; v1(1780,2295) 1682.62,2197.62 1679.51,2197.62 ; U1.64@1921.5,2495.29 U1.64@1896.45,2470.24 ; v1(1980,2295) 1875,2400 1875,2448.79 U1.64@1896.45,2470.24 ; C4.1@2140,2735.59 2140,2810 2180,2850 v1(2265,2850) 2265,2880 R2.2@2265,3608.82
  Top Layer w20: R9.1@75,1426.18 75,1589.28 cw(c95,1589.22) 80.8,1603.3 109.98,1632.48 ; JP7.4@110,2060 110,1632.5 ; IC1.8@342.36,1556.65 342.36,1607.36 ; C15.1@460,1680 455,1675 418.28,1675 ccw(c418.28,1655) 404.17,1669.17 342.36,1607.36 ; C1.1@1735,1780.59 C3.1@1990,1780.59 ; R13.2@3650,765 3695,720 JP9.1@3810,720 ; 110,1632.5 115,1637.5 303.94,1637.5 cw(c303.94,1617.5) 318.08,1631.64 342.36,1607.36
  Top Layer w30: C11.1@1270,928.74 1284.53,943.27 C13.2@1475,970.02 1475,1030 1510,1065 V1.2@1510,1142.8
  Bottom Layer w10: v1(875,1785) 765,1675 v1(610,1675) 610,1260 937.07,932.93 ccw(c944.14,940) 944.14,930 970.11,930 ccw(c970.11,940) 974.19,930.87 974.28,930.81 v1(975,930) ; v1(1780,2295) v1(1980,2295) 2032.5,2242.5 2035,2242.5 ; v1(2265,2850) 2265,2679.14 ccw(c2275,2679.14) 2267.93,2672.07 2570,2370 JP2.1@2570,2295
  Bottom Layer w20: 2035,2242.5 2522.5,2242.5 JP2.2@2570,2195 3495,2195 Q1.1@3675,2375 3790,2375 3904.14,2260.86 cw(c3890,2246.72) 3910,2246.72 3910,828.28 cw(c3890,828.28) 3904.14,814.14 JP9.1@3810,720
  Bottom Layer w30: JP2.2@2570,2195 JP2.1@2570,2295
VM: CE1.1 JP10.2 P1.8 P7.8 S1.1 S1.2 V2.3 | length 9997
  Top Layer w30: S1.1@2218.35,330 S1.1@2233.35,315 ; S1.1@2220,345 2220,794.37 CE1.1@2345,919.37 2345,980 2310.55,1014.45 V2.3@2310.55,1132.8 ; S1.2@2543.42,320 JP10.2@2905,320
  Top Layer w35: P7.8@738.35,3650 924.06,3835.71 cw(c1006.84,3752.93) 1006.84,3870 2670,3870 cw(c2670,3784.29) 2730.61,3844.9 2870.71,3704.79 cw(c2800,3634.08) 2900,3634.08 2900,3303.96 ccw(c3000,3303.96) 2929.29,3233.25 P1.8@3194.61,2967.94
  Bottom Layer w35: P7.8@738.35,3650 529.29,3440.94 ccw(c636.21,3334.02) 485,3334.17 485,3334.05 cw(c450,3333.96) 485,3333.96 485,127.57 ccw(c520,127.65) 499.59,99.21 499.68,99.15 ccw(c637.68,292.75) 637.72,55 2166.37,55 ccw(c2166.28,90) 2194,68.63 ccw(c2082.25,154.77) 2223.35,154.77 S1.1@2223.35,315
pads on no net: IC2.7 IC2.8 IC2.9 IC2.10 IC2.11 IC2.12 IC2.15 SP1.1 SP2.1 SP3.1 SP4.1 USB.1 USB.3 USB.4@3760,1337.68 USB.4@3760,1855 V1.4 V2.4
copper on no net: | length 226888.3